# KiCad board PROC099A_PCB-PcbDoc.kicad_pcb (continued)
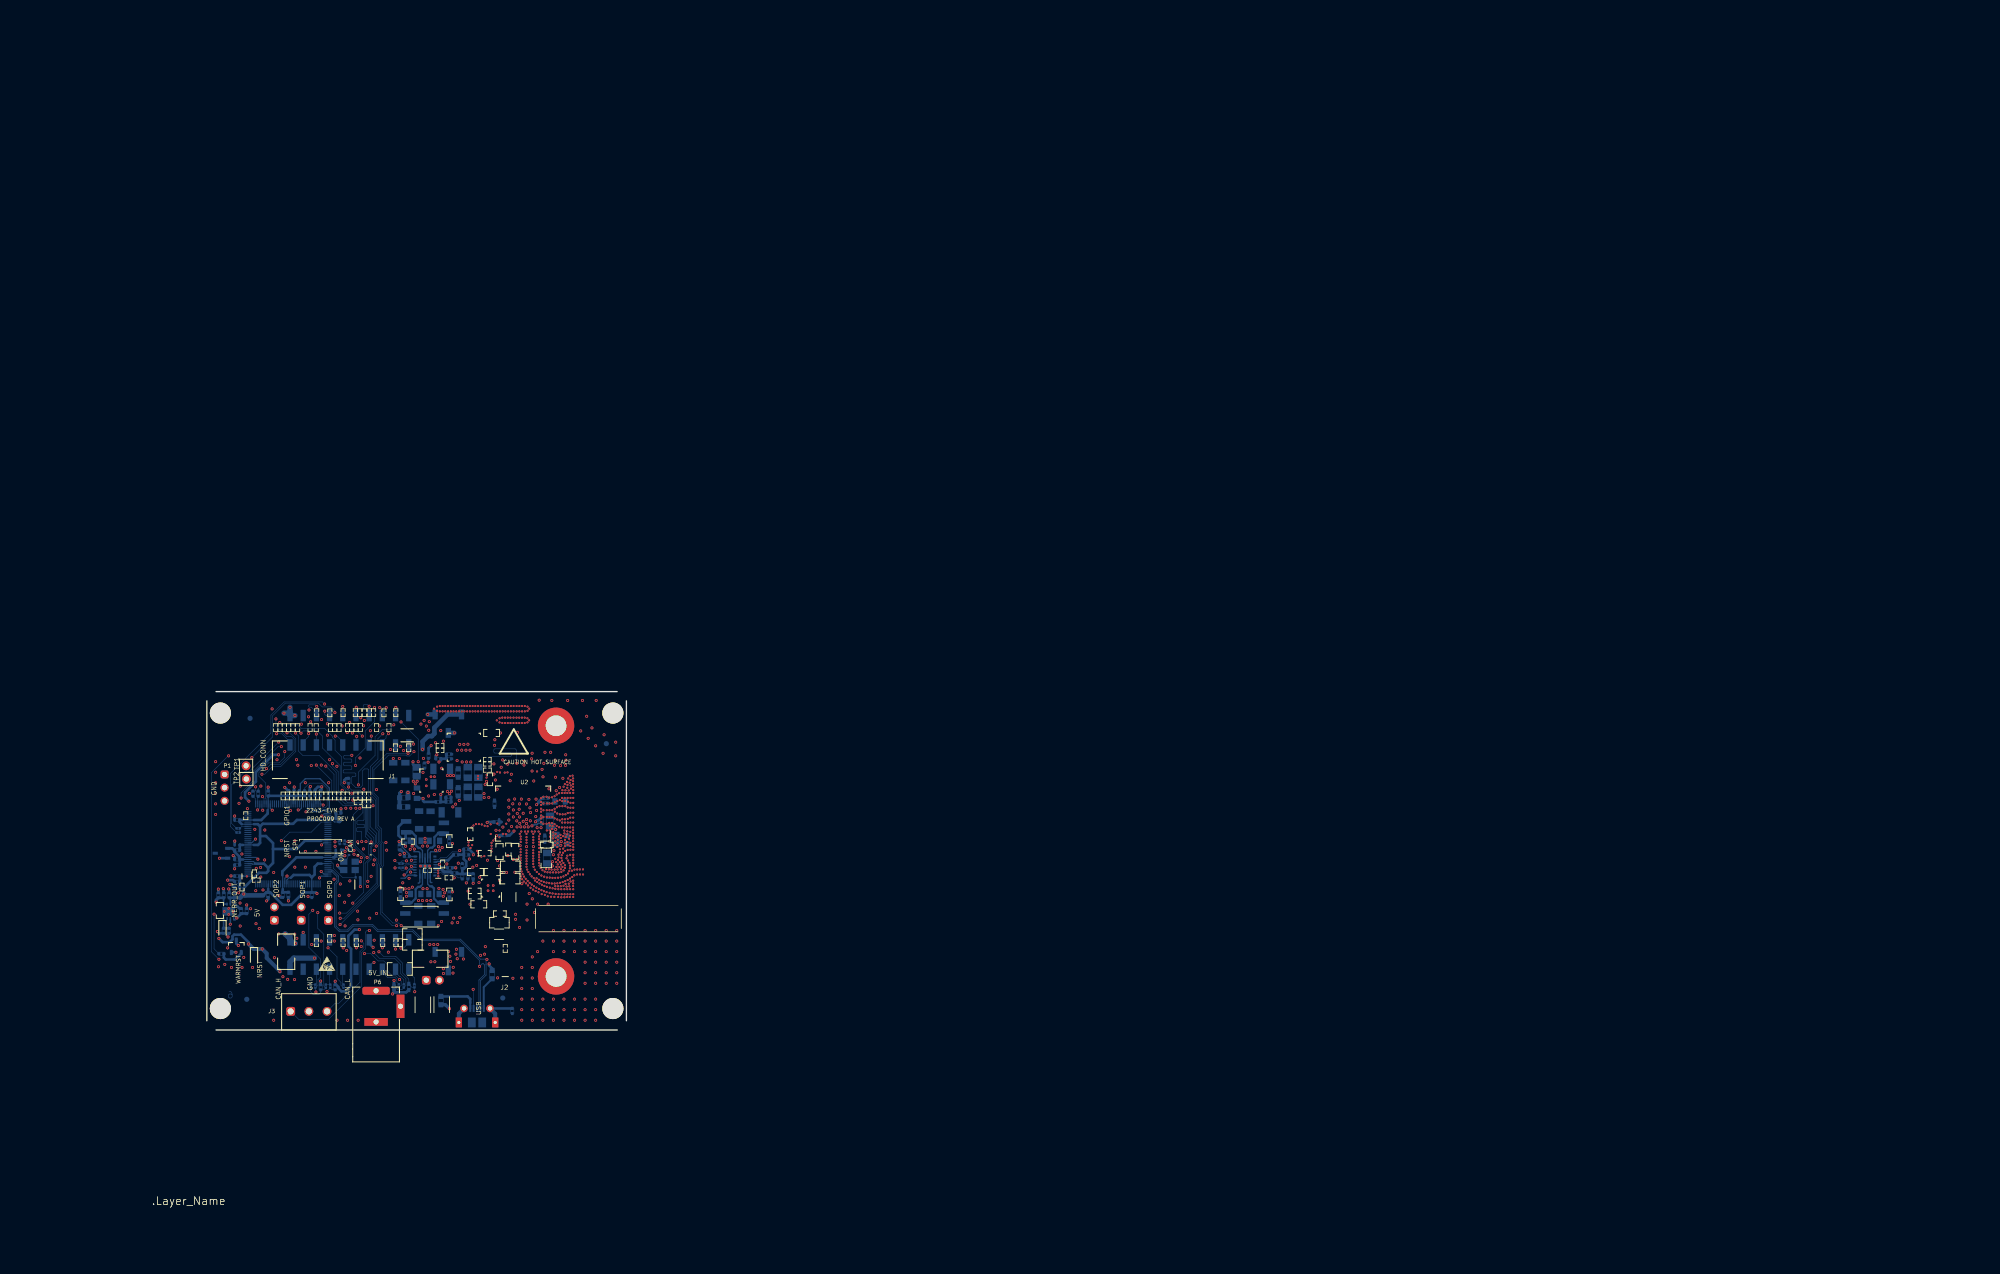
[diagram p0: board, top side]
## Routing (per net, layer and track width the routed paths; a pad name or vN(x,y) marks a point on that pad's centre or on a via; arc(x,y) is an arc through that point) (continued)
AR_NERR_OUT: length 124.9
  In2.Cu w0.127: v1(6.42,20.02) 8.93,22.52 19.85,22.52 20.4,21.97 21.73,21.97 22.27,22.5 v1(25.57,22.5) ; v1(27.91,45.59) 27.57,45.59 26.69,46.47 26.69,46.95 27.99,48.24 30.51,48.24 30.78,47.97 33.72,47.97 39.52,42.16 48.29,42.16 49.97,43.84 55.46,43.84 57,45.38 60.41,45.38 61.28,44.5 61.28,43.76 v1(61.53,43.52)
  Bottom w0.102: v1(25.57,22.5) 26.9,22.5 32.6,28.2 32.6,32.03 32.75,32.19 32.75,32.95 31.73,33.97 31.73,35.24 32.45,35.97 32.45,37.44 31.21,38.68 31.21,43.99 29.61,45.59 v1(27.91,45.59) 27.24,46.27 27.07,46.27 25.94,47.4 25.94,52.6 24.69,53.85 24.69,55.82 24.16,56.34 24.16,56.57 22.72,58.02 18.18,58.02 17.46,58.74 14.51,58.74 v1(14.04,59.21)
  In7.Cu w0.102: v1(61.53,43.52) 61.28,43.76 61.28,44.55 60.92,44.92 U2.N8 ; v1(14.04,59.21) 13.53,59.21 13.26,58.93 R19.1 ; R7.2 27.55,44.74 27.91,45.1 v1(27.91,45.59) ; v1(6.42,20.02) 6.09,20.02 5.78,20.33 6.39,20.94 R91.1
AR_NERRIN: length 58.6
  In2.Cu w0.127: v1(61.67,53.33) 61.67,54.61 53.42,62.86 28,62.86 25.17,60.02 23.38,60.02 22.49,59.13 20.8,59.13 20.59,59.33 v1(19.98,59.33)
  In7.Cu w0.102: v1(19.98,59.33) 19.98,58.66 R24.1 19.48,58.55 18.86,57.93 18.82,57.93 ; U2.P7 61.22,45.89 61.22,46.4 61.09,46.53 61.09,49.83 61.94,50.68 61.94,51.42 61.67,51.69 v1(61.67,53.33)
AR_NRST: length 116
  In2.Cu w0.127: v1(58.62,49.24) 58.62,54.26 54.71,58.18 47.93,58.18 46.42,56.67 46.42,55.55 45.98,55.11 45.16,55.11 44.29,55.97 33.95,55.97 31.73,58.2 31.24,58.2 30.67,57.63 28.29,57.63 28.13,57.79 26.73,57.79 26.6,57.65 22.59,57.65 20.08,55.15 14.93,55.15 v1(14.34,54.56)
  Bottom w0.102: 2.33,14.69 1.39,15.63 v1(1.39,22.3) ; v1(14.34,54.56) 13.71,54.56 8.91,49.76 8.91,47.96 6.6,45.65 v1(6.6,44.65)
  In7.Cu w0.102: 3.1,33.82 R77.2 2.66,34.58 2.66,37.4 5.94,40.68 5.94,42.35 6.93,43.34 6.93,44.33 v1(6.6,44.65) ; 3.1,33.82 R74.1 4.56,35.28 7.48,35.28 7.58,35.38 8.81,35.38 SW2.4 ; 3.1,33.82 4.19,32.74 D2.2 4.19,32.1 0.98,28.9 0.98,22.71 v1(1.39,22.3) ; U2.P12 58.29,45.57 57.97,45.88 57.97,46.68 58.91,47.62 58.91,48.96 v1(58.62,49.24)
AR_NRST_MCU: length 51.8
  In7.Cu w0.102: 25.95,61.01 23.48,63.49 15.49,63.49 12.41,60.41 12.41,56.95 12.99,56.38 ; 25.95,61.01 26.2,60.76 R2.2 25.98,61.01 25.95,61.01 ; R20.1 14.06,58.55 13.71,58.2 13.71,57.5 13.94,57.26 13.94,56.82 13.49,56.38 12.99,56.38 ; 12.99,56.38 9.63,53.01 8.11,53.01 5.83,50.73 5.83,44.71 6.72,43.82 6.72,43.42 1.91,38.6 R77.1 1.91,34.8
AR_NRST_XDS: length 23.9
  In2.Cu w0.254: v1(12.59,42.32) 11.89,41.62 7.84,41.62 6.2,43.25 v1(6.2,43.64)
  Bottom w0.203: v1(12.59,42.32) 12.21,42.7 U6.40
  In7.Cu w0.254: 1.92,31.26 1.11,32.07 1.11,38.56 v1(6.2,43.64)
AR_OSC_CLKOUT: length 26.9
  In2.Cu w0.203: v1(54.02,32.69) 54.02,28.92 53.08,27.99 53.08,16.57 v1(53.61,16.04)
  In7.Cu w0.18: v1(54.02,32.69) 54.48,33.15 54.68,33.15 55.57,34.04 55.57,35.79 56.9,37.12 U2.A14 ; v1(53.61,16.04) R111.1
AR_PMIC_CLKOUT_SOP2: length 110.8
  In2.Cu w0.127: v1(39.87,53.59) 40.89,54.61 41.82,54.61 42.53,53.9 46.57,53.9 48.43,55.76 51.95,55.76 56.67,51.03 v1(56.67,50.59)
  Bottom w0.102: v1(37.41,20.11) 36.92,20.6 35.8,20.6 33.73,22.68 33.73,31.36 33.96,31.6 33.96,36.01 33.59,36.38 33.59,38.75 32.99,39.35 32.99,44.78 32.16,45.6 32.16,50.11 34.99,52.93 38.34,52.93 38.52,52.75 39.03,52.75 v1(39.87,53.59)
  In7.Cu w0.102: 9.85,16.58 10.84,16.58 11.47,15.95 11.47,13.18 12.21,12.45 12.21,9.25 13.43,8.03 19.36,8.03 22.14,10.81 32.75,10.81 36.83,14.89 36.83,16.79 37.18,17.13 R109.2 37.41,17.32 v1(37.41,20.11) ; v1(56.67,50.59) 56.72,50.59 56.93,50.38 56.93,47.1 57.32,46.71 57.32,46.06 57.64,45.73 U2.P13
AR_QSPI_CS: length 36.7
  In2.Cu w0.127: v1(45.54,55.62) 45.54,56.37 47.77,58.6 55.81,58.6 59.06,55.35 59.06,50.81 59.32,50.55 60.6,50.55 v1(61.06,51)
  In5.Cu w0.1: 45.62,55.91 45.62,56.61 43.82,56.61 43.82,55.91 45.62,55.91
  In7.Cu w0.102: U2.P8 60.57,45.88 60.57,46.56 60.67,46.66 60.67,49.98 61.06,50.37 v1(61.06,51) ; U1.1 45.3,56.34 R38.1 45.09,56.13 45.09,55.7 45.17,55.62 v1(45.54,55.62)
AR_QSPI_D0: length 29.3
  In7.Cu w0.102: U2.R11 58.94,46.64 59.64,47.34 59.64,50.06 59.12,50.58 59.12,51.71 59.39,51.97 59.39,54.44 59.2,54.62 58.9,54.62 58.74,54.46 58.74,52.48 58.57,52.31 58.32,52.31 58.2,52.44 58.2,55.5 58.02,55.67 57.79,55.67 57.63,55.51 57.63,54.11 57.2,53.68 54.78,53.68 54.6,53.5 54.6,53.14 54.75,52.99 57.23,52.99 57.76,52.46 57.76,51.77 57.27,51.29 56.34,51.29 55.08,50.04 54.35,50.04 R45.2
AR_QSPI_D1: length 30.8
  In7.Cu w0.102: R39.1 43.87,54.74 43.47,55.14 43.47,56.33 44.27,57.12 45.48,57.12 46.36,58 57.03,58 60.35,54.68 60.35,50.3 60.26,50.21 60.26,46.95 59.92,46.61 59.92,45.88 U2.P9
AR_QSPI_D2: length 31
  In7.Cu w0.102: R42.1 43.8,53.83 43.63,53.66 43.63,52.87 44.02,52.48 45.31,52.48 45.9,51.89 46.91,51.89 47.45,51.36 48.64,51.36 49.01,50.98 52.24,50.98 52.44,50.78 52.44,50.57 52.29,50.42 49.98,50.42 49.83,50.28 49.83,49.92 49.97,49.79 50.7,49.79 50.92,49.56 50.92,48.83 51.13,48.62 51.47,48.62 51.65,48.79 51.65,49.2 52.24,49.79 53.15,49.79 53.42,49.53 54.58,49.53 54.86,49.81 55.17,49.81 56.44,51.09 56.98,51.09 57.55,50.52 58.24,50.52 59.23,49.52 59.23,47.59 58.29,46.65 U2.R12
AR_QSPI_D3: length 26
  Bottom w0.102: v1(59.65,51.35) 59.65,53.84 59.35,54.14 55.46,54.14 55.24,53.92 55.24,53.53 55.44,53.32 58.49,53.32 58.67,53.15 58.67,52.83 58.46,52.62 54.5,52.62 54.28,52.41 54.28,51.44 54.5,51.23 v1(55.26,51.23)
  In7.Cu w0.102: v1(59.65,51.35) 59.65,50.78 59.85,50.58 59.85,47.19 59.27,46.61 59.27,45.89 59.59,45.57 U2.P10 ; R40.2 55.16,52.09 55.26,51.99 v1(55.26,51.23)
AR_QSPI_SCLK: length 29.1
  In7.Cu w0.102: U2.R10 59.59,46.6 60.06,47.07 60.06,50.32 60.15,50.41 60.15,54.14 57.68,56.61 56.48,56.61 56.35,56.47 56.35,56.11 56.48,55.97 57.07,55.97 57.17,55.86 57.17,55.44 57.09,55.35 56.47,55.35 56.34,55.22 56.34,54.84 56.44,54.74 56.92,54.74 57.05,54.61 57.05,54.31 56.9,54.16 54.54,54.16 54.16,53.78 54.16,52.93 54.56,52.53 57.15,52.53 57.5,52.18 57.5,51.8 57.19,51.5 56.24,51.5 55.34,50.6 54.94,50.6 R44.2
AR_RESERVED: length 64
  In2.Cu w0.127: v1(59.01,41.02) 51.35,41.02 50.29,39.96 37.45,39.96 37.14,40.27 13.22,40.27 12.74,40.76 7.97,40.76 5.58,43.15 5.58,44.54 6.59,45.54 v1(8.17,45.54)
  In7.Cu w0.102: v1(8.17,45.54) 8.17,45.92 C8.1 7.63,48.3 TP2.1
  In7.Cu w0.254: v1(59.01,41.02) 58.55,41.02 58.55,41.02 U2.G13
AR_RS232RX: length 140.8
  In2.Cu w0.127: v1(15.44,57.23) 15.44,57.75 17.76,60.08 17.76,60.6 21.16,64.01 55.87,64.01 65.51,54.37 66.19,54.37 68.5,52.06 68.5,51.49 v1(69.04,50.95)
  Bottom w0.102: v1(10.41,46.96) 9.9,46.46 R129.1 9.9,45.97 ; v1(23.13,7.39) 23.13,7.47 R166.1 24.12,7.74 24.71,7.74 ; v1(20.39,23.04) 19.64,22.29 19.64,15.9 21.88,13.67 21.88,10.17 21.4,9.7 21.4,8.61 R168.1 20.89,7.43 v1(21,7.32) ; v1(15.44,57.23) 15.97,57.23 17.13,56.07 17.13,53.63 14.25,50.75 12.66,50.75 11.16,49.25 v1(10.61,49.25)
  In7.Cu w0.102: v1(69.04,50.95) 69.04,50.94 69.04,48.21 68.7,47.87 68.23,47.87 65.62,45.25 63.39,45.25 63.05,44.92 U2.N5 ; v1(23.13,7.39) 23.06,7.32 v1(21,7.32) ; v1(15.44,57.23) 15.34,57.32 15.34,58.16 15.72,58.54 R33.1 ; v1(10.61,49.25) 10.61,48.26 10.41,48.05 v1(10.41,46.96) 14.16,43.21 14.16,37.72 15.01,36.88 15.01,31.83 20.39,26.44 v1(20.39,23.04)
AR_RS232TX: length 141.5
  In2.Cu w0.127: v1(64.71,48.74) 61.95,48.74 60.67,47.47 55.4,47.47 54.45,48.42 49.16,48.42 45.4,52.18 42.81,52.18 42.13,52.86 41.05,52.86 40.56,52.38 39.68,52.38 38.46,51.16 33.03,51.16 30.24,53.95 17.19,53.95 16.17,52.93 14.87,52.93 12.79,55.01 12.79,59.38 v1(13.3,59.89)
  Bottom w0.102: v1(11.47,50.32) 12.29,51.13 14.15,51.13 16.8,53.78 16.8,55.99 16.27,56.52 15.36,56.52 13.3,58.57 v1(13.3,59.89) ; 8.87,45.98 9.24,45.98 9.39,46.13 v1(9.39,46.81) ; v1(21.36,22.61) 21.36,19.58 22.52,18.41 22.52,8.49 R167.1 22.55,7.74 21.91,7.74 R173.1 21.91,7.21 21.52,6.82 20.54,6.82 20.01,7.35 R169.1
  In7.Cu w0.102: v1(11.47,50.32) 10.96,50.32 9.39,48.75 v1(9.39,46.81) 9.93,46.27 10.43,46.27 13.84,42.86 13.84,30.59 19.88,24.55 19.88,22.81 20.16,22.53 20.72,22.53 20.8,22.61 v1(21.36,22.61) ; R21.1 14.91,59.12 14.14,59.89 v1(13.3,59.89) ; U2.N6 62.52,45.25 62.97,45.25 63.17,45.44 63.17,46.38 64.71,47.93 v1(64.71,48.74)
AR_SCL: length 191.7
  In2.Cu w0.127: v1(36.23,31.2) 26.43,31.2 26.21,30.99 23.93,30.99 23.44,31.48 21.55,31.48 20.51,30.43 14.74,30.43 13.76,29.45 v1(10.38,29.45) ; v1(69.08,52.98) 71.8,50.26 71.8,31.79 67.91,27.9 64.32,27.9 62.25,25.82 61.98,25.82 57.82,21.66 57.82,12.71 54.16,9.05 50.8,9.05 48.58,6.84 38.74,6.84 v1(36.04,9.54)
  Bottom w0.102: v1(36.23,31.2) 36.25,31.22 R144.1 37.5,30.77 37.94,30.77 38.35,31.18 v1(38.37,31.18) ; v1(36.04,9.54) 36.02,9.52 R171.1 36.02,8.77 36.52,8.27 36.52,7.94 36.7,7.76 37.56,7.76 37.92,8.12 R163.1 38.32,8.56 38.32,9.84 37.33,10.83 37.33,12.63 36.17,13.78 33.24,13.78 v1(32.12,14.9) ; v1(30.93,27.64) 30.47,28.1 30.47,32.12 31.36,33.01 31.36,33.55 31.12,33.78 31.12,36.62 30.53,37.22 30.53,43.24 30.01,43.76 27.1,43.76 24.89,45.97 24.89,49.61 21.61,52.9 18.43,52.9 17.6,53.73 17.6,56.67 v1(17.09,57.18)
  In7.Cu w0.102: v1(32.12,14.9) 31.29,14.9 30.61,15.57 30.61,17.79 31.12,18.29 31.78,18.29 34.74,21.25 34.74,25.57 32.67,27.64 ; v1(30.93,27.64) 32.67,27.64 ; 32.67,27.64 32.67,27.64 v1(36.23,31.2) ; v1(17.09,57.18) 17.07,57.19 17.07,58.1 16.61,58.55 R22.1 ; R180.1 40.96,30.76 39.9,29.7 38.87,29.7 38.37,30.19 v1(38.37,31.18) ; R185.1 9.44,29.45 v1(10.38,29.45)
  In7.Cu w0.127: v1(69.08,52.98) 68.18,53.89 R197.1
AR_SDA: length 190.5
  In2.Cu w0.127: v1(69.13,51.94) 71.36,49.71 71.36,31.94 67.79,28.37 63.39,28.37 57.43,22.4 57.43,12.81 54.26,9.64 50.67,9.64 48.39,7.36 v1(40.02,7.36) ; v1(10.81,26.96) 11.4,27.55 21.56,27.55 22.56,28.55 22.56,29.39 23.81,30.64 28.97,30.64 v1(30.98,28.63)
  Bottom w0.102: R162.1 40.02,8.11 v1(40.02,7.36) ; v1(18.13,57.15) 18.57,57.59 21.27,57.59 22.26,56.6 22.26,54.29 25.67,50.88 25.67,47.25 26.71,46.21 26.71,46.07 27.71,45.07 29.66,45.07 30.98,43.74 30.98,38.18 32.15,37.01 32.15,36 31.45,35.29 31.45,33.86 31.62,33.69 31.62,32.87 30.98,32.23 v1(30.98,28.63) ; v1(38.43,32.56) 37.56,32.56 R146.2 36.9,32.2 36.64,32.2 v1(36.2,32.64) ; v1(33.13,15.06) 33.99,14.2 36.35,14.2 37.67,12.88 37.67,11 38.88,9.78 R170.1 38.88,8.77 38.93,8.77 39.52,8.17 39.93,8.17
  In7.Cu w0.102: v1(38.43,32.56) 38.9,32.1 38.9,30.88 38.71,30.69 38.71,30.21 39.01,29.9 39.47,29.9 40.46,30.89 40.46,31.56 41.47,32.58 45.11,32.58 R182.2 ; R186.2 10.81,27.88 v1(10.81,26.96) ; v1(33.13,15.06) 32.79,15.4 31.25,15.4 30.85,15.8 30.85,17.67 31.18,18 32.09,18 35.02,20.93 35.02,29.21 36.78,30.97 36.78,32.06 v1(36.2,32.64) 32.19,28.63 v1(30.98,28.63) ; v1(18.13,57.15) 18.13,57.94 17.52,58.55 R23.1
  In7.Cu w0.127: v1(69.13,51.94) 68.17,52.91 R198.1
AR_SPICLK1: length 93.9
  In2.Cu w0.102: v1(28.33,34.59) 28.95,34.59 29.79,33.76 v1(37.19,33.76)
  In3.Cu w0.127: v1(37.19,33.76) 37.19,35.15 37.92,35.87 37.92,37.1 45.15,44.34 46.94,44.34 48,45.4 48,47.53 51.63,51.16 51.63,57.69 52.28,58.34 57.27,58.34 57.52,58.59 57.52,59.32 57.3,59.54 51.91,59.54 51.64,59.81 51.64,60.64 51.88,60.88 57.23,60.88 57.5,61.15 57.5,61.88 57.27,62.12 51.89,62.12 51.63,62.38 51.63,62.94 51.95,63.26 59.37,63.26 59.78,62.84 v1(59.78,57.31)
  In7.Cu w0.102: v1(28.33,34.59) U13.7 ; U2.R9 60.24,46.56 60.47,46.79 60.47,50.08 60.56,50.17 60.56,56.54 v1(59.78,57.31)
AR_SYNC_IN: length 90.9
  In2.Cu w0.127: v1(60.2,43.53) 59.89,43.84 59.89,44.58 59.47,45 57.95,45 56.32,43.37 50.22,43.37 48.63,41.78 39.22,41.78 33.44,47.55 30.19,47.55 30,47.74 28.23,47.74 v1(27.27,46.79)
  In3.Cu w0.127: v1(23.34,15.82) 23.34,19.18 v1(25.67,21.51)
  Bottom w0.102: v1(25.67,21.51) 26.42,21.51 32.89,27.98 32.89,31.85 33.12,32.08 33.12,35.67 32.72,36.07 32.72,37.86 31.44,39.13 31.44,44.28 29.52,46.19 27.87,46.19 v1(27.27,46.79) R196.2 ; v1(23.34,15.82) 23.34,15.8 25.06,14.07 25.06,9.93 25.82,9.18 25.82,8.59 R165.1
  In7.Cu w0.102: R62.2 26.47,44.74 26.64,44.91 26.64,45.68 27.27,46.31 v1(27.27,46.79) ; U2.N10 59.59,44.87 59.91,44.55 59.91,43.81 v1(60.2,43.53)
AR_SYNC_OUT_SOP1: length 98.4
  In2.Cu w0.127: v1(57.91,51.18) 56.99,51.18 52.03,56.13 48.42,56.13 46.47,54.18 42.9,54.18 42.04,55.04 40.6,55.04 39.81,54.25 39.63,54.25 38.73,53.35 v1(38.73,53.26)
  Bottom w0.102: v1(38.73,53.26) 34.68,53.26 31.84,50.43 31.84,45.45 32.74,44.55 32.74,39.07 33.31,38.5 33.31,36.27 33.68,35.9 33.68,31.71 33.45,31.48 33.45,22.34 35.69,20.09 v1(36.54,20.09)
  In5.Cu w0.1: 38.46,55.09 39.26,55.09 39.26,53.59 38.46,53.59 38.46,55.09
  In7.Cu w0.102: 18.08,15.02 18.61,14.48 29.44,14.48 29.75,14.17 32.97,14.17 35.94,17.13 R108.2 36.54,17.27 v1(36.54,20.09) ; U2.P11 58.62,45.88 58.62,46.65 59.44,47.46 59.44,49.65 v1(57.91,51.18)
AR_TCK: length 35.1
  In2.Cu w0.127: v1(58.13,44.25) 56.82,42.95 50.51,42.95 48.98,41.42 38.86,41.42 33.15,47.13 31,47.13 v1(30.22,46.36)
  In7.Cu w0.102: U2.M13 57.65,44.25 v1(58.13,44.25) ; R70.1 30.34,43.88 30.34,44.68 30.74,45.09 30.74,45.83 v1(30.22,46.36)
AR_TDI: length 54
  In2.Cu w0.127: v1(26.05,46.15) 26.05,45.58 27.89,43.75 34.52,43.75 37.94,40.33 49.96,40.33 51.22,41.59 v1(58.13,41.59)
  In3.Cu w0.127: v1(27.49,59.21) 25.74,57.46 25.74,56.71 22.85,53.82 22.85,51.73 23.66,50.92 23.66,48.55 v1(26.05,46.15)
  In7.Cu w0.102: v1(58.13,41.59) 58.05,41.67 U2.H13 ; v1(27.49,59.21) 27.83,59.21 27.9,59.14 R30.1 R29.1
AR_TDO_SOP0: length 63.9
  In2.Cu w0.127: v1(59.01,42.37) 57.83,42.37 57.46,42 50.94,42 49.57,40.64 38.31,40.64 v1(32.67,46.28)
  Bottom w0.102: v1(28.09,24.42) 30.19,26.52 30.19,32.48 30.33,32.63 30.33,33.3 28.22,35.42 28.22,41.47 v1(29.45,42.7)
  In5.Cu w0.1: 27.2,22.5 27.2,24.3 27.9,24.3 27.9,22.5 27.2,22.5
  In7.Cu w0.102: U2.J13 58.96,42.32 v1(59.01,42.37) ; 27.57,23.9 v1(28.09,24.42) ; v1(29.45,42.7) 29.78,42.7 29.94,42.54 31.19,42.54 31.56,42.91 31.56,43.51 31.17,43.9 R67.2 31.69,44.74 32.67,45.71 v1(32.67,46.28)
AR_TMS: length 71.3
  In2.Cu w0.127: v1(58.9,43.54) 58.04,43.54 56.93,42.44 50.68,42.44 49.24,41 38.68,41 32.89,46.79 32.07,46.79 29.55,44.27 v1(28.11,44.27)
  In5.Cu w0.1: 28.29,44.32 28.29,45.82 29.09,45.82 29.09,44.32 28.29,44.32 ; 29.11,44.32 29.91,44.32 29.91,45.82 29.11,45.82 29.11,44.32 ; 30.77,44.29 31.57,44.29 31.57,42.79 30.77,42.79 30.77,44.29 ; 29.94,44.32 29.94,45.82 30.74,45.82 30.74,44.32 29.94,44.32 ; 29.88,43.44 29.88,44.24 28.38,44.24 28.38,43.44 29.88,43.44 ; 30.77,44.32 30.77,45.82 31.57,45.82 31.57,44.32 30.77,44.32 ; 29.93,44.29 30.73,44.29 30.73,42.79 29.93,42.79 29.93,44.29
  In7.Cu w0.102: v1(28.11,44.27) 29.05,44.27 R65.2 29.51,43.9 R69.1 ; v1(58.9,43.54) 58.82,43.62 U2.L13
AR_VBGAP: length 2.3
  Bottom w0.508: v1(59.13,38.3) 58.32,37.49 C56.1
  In7.Cu w0.381: U2.B10 59.59,37.84 v1(59.13,38.3)
AR_VOUT_PA:
  vias: v1(66.72,33.74) v1(66.82,34.53)
AR_VSENSE: length 61.9
  In2.Cu w0.127: 3.4,49.21 5.05,47.57 5.05,43.06 7.92,40.19 12.53,40.19 12.98,39.74 37.08,39.74 37.31,39.52 50.5,39.52 51.48,40.5 55.56,40.5 v1(56.99,39.07)
  In7.Cu w0.102: U2.C14 v1(56.99,39.07)
AR_WARMRST: length 99.5
  In2.Cu w0.127: v1(31.48,57.62) 33.96,55.14 35.39,55.14 37.91,52.63 38.85,52.63 39.29,53.07 40.09,53.07 40.56,53.54 45.48,53.54 49.75,49.26 v1(55.27,49.26)
  In3.Cu w0.127: v1(31.48,57.62) 32.19,56.91 32.19,56.08 31.91,55.8 31.91,51.67 28.1,47.86 28.1,46.79 23.63,42.32 21.56,42.32 11.8,32.56 11.8,26.94 10.96,26.11 10.96,18.16 8.02,15.22 7.16,15.22 4.57,12.62 v1(3.46,12.62)
  In7.Cu w0.102: 3.46,11.85 v1(3.46,12.62) ; 28.62,59.46 28.62,58.67 R18.1 ; 28.62,59.46 29.05,59.04 30.6,59.04 31.48,58.16 v1(31.48,57.62) ; 28.62,59.46 R15.1 ; U2.N12 57.97,45.24 57.52,45.24 57.32,45.44 57.32,45.69 57.12,45.88 56.87,45.88 56.66,46.1 56.66,46.34 55.43,47.57 55.39,47.57 55.03,47.93 55.03,49.03 v1(55.27,49.26)
  vias: v2(53.87,49.12)
AR_XTALM: length 7.7
  In7.Cu w0.102: U2.F14 56.73,40.11 55.76,40.11 54.52,38.86 52.83,38.86 51.94,37.98 Y1.3 51.4,38.29 C9.1
AR_XTALP: length 7.8
  In7.Cu w0.102: U2.E14 56.83,39.72 56.5,39.39 55.43,39.39 55.11,39.06 55.11,37.08 53.79,35.77 Y1.1 54.1,35.29 C15.2
CAN_RX: length 12.4
  In3.Cu w0.102: v1(30.14,34.86) 29.59,34.31 29.59,34.1 v1(29.08,33.59)
  In5.Cu w0.1: 29.02,33.87 31.67,33.87 31.67,35.72 29.02,35.72 29.02,33.87
  In7.Cu w0.102: R12.1 28.97,33.59 v1(29.08,33.59) ; v1(30.14,34.86) U13.3
CAN_TX: length 1.4
  In7.Cu w0.102: R11.1 31.91,35.64 31.91,35.55 31.76,35.39 U13.16 ; 32.48,36.26 32.5,36.29
CS1: length 123.2
  In2.Cu w0.127: v1(19.67,61.61) 19.21,61.61 18.5,60.9 18.5,59.37 19.45,58.43 25.16,58.43 25.82,59.08 26.79,59.08 27.29,58.58 v1(30.18,58.58)
  In3.Cu w0.102: v1(24.18,51.28) 24.51,51.6 31.05,51.6 31.37,51.93 31.37,53.06 31.05,53.39 24.14,53.39 23.91,53.62 23.91,54.25 24.3,54.63 31.12,54.63 31.38,54.9 31.38,55.62 30.84,56.16 30.84,59.09 v1(30.32,59.6)
  In3.Cu w0.127: v1(21.08,51) 21.08,52.67 20.8,52.95 17.14,52.95 16.95,53.14 16.95,53.72 17.12,53.89 21.21,53.89 21.41,54.09 21.41,54.69 21.22,54.87 17.11,54.87 16.95,55.04 16.95,55.64 17.12,55.82 21.56,55.82 21.87,56.12 21.87,57.98 20.85,59 20.85,60.43 v1(19.67,61.61)
  Bottom w0.102: v1(30.85,33.23) 29.79,34.29 29.79,34.29 28.54,35.54 28.54,40.36 30.04,41.86 30.04,42.83 29.61,43.25 26.19,43.25 24.06,45.38 24.06,48.03 v1(21.08,51) ; v1(24.18,51.28) 24.18,50.84 25.29,49.74 25.29,46.13 26.6,44.82 29.43,44.82 30.76,43.49 30.76,37.72 31.63,36.84 v1(31.63,36.2)
  In7.Cu w0.102: R14.1 19.54,61.61 v1(19.67,61.61) 20.51,60.76 R1.2 ; R17.1 v1(30.18,58.58) ; v1(30.85,33.23) 30.54,33.53 U13.11
  vias: v1(20.11,50.91)
D_LOGGER: length 5.4
  Bottom w0.102: v1(21.15,62.3) 20.86,62.6 19.69,62.6 19.62,62.53 19.62,62.24 19.71,62.15 20.12,62.15 21.09,61.19 J6.6
  In7.Cu w0.102: R1.1 v1(21.15,62.3)
HD_LVDS_VALID_N: length 4.5
  In7.Cu w0.132: 25.54,49.17 25.54,47.87 25.66,47.75 25.66,47.09 25.52,46.96 25.17,46.96 24.89,46.67 24.89,45.69 R60.1
HD_LVDS_VALID_P: length 4.5
  In7.Cu w0.132: 26.04,49.17 26.04,47.87 25.92,47.75 25.92,46.98 25.63,46.7 25.28,46.7 25.14,46.57 25.14,45.66 R61.1
HD_LVDSCSI0_N: length 4.6
  In7.Cu w0.132: R48.1 14.98,45.68 14.98,45.96 16.66,47.64 16.66,47.75 16.54,47.87 16.54,49.17
HD_LVDSCSI0_P: length 4.6
  In7.Cu w0.132: R49.1 15.23,45.68 15.23,45.85 16.92,47.53 16.92,47.76 17.04,47.88 17.04,49.17
HD_LVDSCSI1_N: length 4.6
  In7.Cu w0.132: 18.04,49.17 18.04,47.92 18.15,47.81 18.15,47.45 16.63,45.93 16.63,45.68 R50.1
HD_LVDSCSI1_P: length 4.6
  In7.Cu w0.132: R51.1 16.89,45.68 16.89,45.82 18.41,47.35 18.41,47.83 18.54,47.96 18.54,49.17
HD_LVDSCSI2_N: length 4.4
  In7.Cu w0.132: 21.04,49.17 21.04,47.87 21.16,47.75 21.16,47.2 19.96,46 19.96,45.69 R54.1
HD_LVDSCSI2_P: length 4.4
  In7.Cu w0.132: R55.1 20.22,45.67 20.22,45.89 21.42,47.09 21.42,47.75 21.54,47.87 21.54,49.17
HD_LVDSCSI3_N: length 4.7
  In7.Cu w0.132: R56.1 21.58,45.68 21.58,46.02 21.86,46.3 22.32,46.3 22.66,46.64 22.66,47.75 22.54,47.87 22.54,49.17
HD_LVDSCSI3_P: length 4.7
  In7.Cu w0.132: 23.04,49.17 23.04,47.94 22.93,47.83 22.93,47.76 22.92,47.75 22.92,46.53 22.43,46.05 21.97,46.05 21.84,45.91 21.84,45.68 R57.1
HD_LVDSCSI_CLK_N: length 4.5
  In7.Cu w0.132: 19.54,49.17 19.54,47.89 19.64,47.79 19.64,47.61 18.28,46.25 18.28,45.68 R52.1
HD_LVDSCSI_CLK_P: length 4.5
  In7.Cu w0.132: R53.1 18.54,45.68 18.54,46.14 19.9,47.5 19.9,47.79 20.04,47.93 20.04,49.17
HD_LVDSCSI_FRCLK_N: length 4.3
  In7.Cu w0.132: R58.1 23.23,45.68 23.23,46.46 24.16,47.39 24.16,47.75 24.04,47.87 24.04,49.17
HD_LVDSCSI_FRCLK_P: length 4.3
  In7.Cu w0.132: R59.1 23.49,45.68 23.49,46.35 24.42,47.28 24.42,47.75 24.54,47.87 24.54,49.17
LDO_01_EN: length 2.7
  In7.Cu w0.305: 52.06,25.77 53.66,25.77
  In7.Cu w0.508: 52.04,26.78 52.04,25.75 52.06,25.77
LDO_02_EN: length 9.8
  In7.Cu w0.127: U5.6 42.23,45.92 42.14,45.83 40.47,45.83 39.06,47.23 39.06,48.38 R46.2 39.41,49.53 40.15,50.27 42.04,50.27 42.23,50.08 U5.20
MCU_3V3: length 80.1
  In3.Cu w0.889: v1(38.72,45.72) 33.51,40.51 33.51,34.02 34.94,32.59 v1(34.94,14.99)
  Bottom w0.889: R130.1 v1(38.72,45.72) ; J4.3 46.35,60.76 43.81,58.21 43.81,57.07 43.32,56.58 42.58,56.58 41.54,55.53 v1(41.54,54.05)
  Bottom w1.016: v1(20.72,13.84) 16.73,13.84 16.01,13.12 J5.1
  In7.Cu w0.889: v1(20.72,13.84) 22.52,12.04 32.57,12.04 33.77,13.24 33.77,13.81 v1(34.94,14.99) ; v1(38.72,45.72) 38.72,46.24 37.8,47.16 37.8,51.06 39.3,52.55 40.27,52.55 41.54,53.82 v1(41.54,54.05)
  vias: v2(46.44,61.35) v2(46.96,61.35) v2(47.49,61.35) v2(48.01,61.35) v2(48.54,61.35) v2(49.06,61.35) v2(49.59,61.35)
MCU_5V: length 19.6
  Bottom w1.016: v1(15.08,18.53) 15.08,18.48 16.01,17.55 J5.2 16.7,16.66 v1(17.04,16.66)
  In5.Cu w0.1: 13.83,17.81 16.73,17.81 16.73,12.35 13.83,12.35 13.83,17.81
  vias: v1(13.84,18.5) v1(16.92,18.45) v1(48.05,15.54) v1(48.2,13.72) v1(49.4,13.67)
MCU_SOP0: length 46.4
  In3.Cu w0.102: v1(37.87,53.8) 37.87,53.04 38.38,52.52 38.38,48.7 33.95,44.27 32.34,44.27 31.47,43.39 31.47,41.79 27.66,37.98 25.47,37.98 23.77,36.28 23.77,25.82 28.38,21.21 v1(29.08,21.21)
  In7.Cu w0.102: 27.53,20.95 27.54,20.95 28.21,20.95 28.47,21.21 v1(29.08,21.21) ; R36.1 38.65,53.8 v1(37.87,53.8)
MCU_SOP1: length 56.6
  In3.Cu w0.102: v1(35.36,54) 36.38,54 37.99,52.39 37.99,48.8 34,44.81 32.4,44.81 31.05,43.46 31.05,41.86 27.64,38.45 25.3,38.45 23.34,36.49 23.34,25.6 26.61,22.33 v1(26.61,20.04)
  In7.Cu w0.102: v1(26.61,20.04) 25.47,18.9 21.87,18.9 19.65,16.67 19.65,15.56 19.1,15.02 ; R35.1 35.43,54.01 35.43,54 v1(35.36,54)
MCU_SOP2: length 63.7
  Bottom w0.102: v1(25.65,20.29) 33.17,27.81 33.17,31.71 33.4,31.95 33.4,35.78 33.03,36.15 33.03,38.29 32.51,38.82 32.51,44.25 31.52,45.24 31.52,50.77 32.94,52.19 32.94,56.1 v1(33.87,57.03)
  In7.Cu w0.102: R32.1 34.72,58.55 33.87,57.71 v1(33.87,57.03) ; v1(25.65,20.29) 25.32,19.97 21.29,19.97 18.85,22.4 12.29,22.4 11.6,21.72 11.6,17.86 11.93,17.53
MISO1: length 4
  In7.Cu w0.102: R63.2 R6.2 R3.2 30.32,60.73 30.32,59.6 ; 31.63,36.2 31.37,35.93 31.15,35.93 30.94,35.73 U13.1
MOSI1: length 42.5
  In3.Cu w0.102: v1(26.03,58.55) 25.11,58.55 24.01,57.45 24.01,56.23 22.26,54.48 22.26,51.45 v1(22.9,50.81)
  Bottom w0.102: v1(22.9,50.81) 24.48,49.23 24.48,45.69 26.65,43.52 29.79,43.52 30.27,43.05 30.27,40.47 30.1,40.31 29.05,40.31 28.89,40.16 28.89,39.71 29.05,39.55 30.26,39.55 30.3,39.51 30.3,39 30.25,38.94 28.95,38.94 28.85,38.84 28.85,38.31 28.95,38.2 29.72,38.2 29.82,38.1 v1(29.82,36.27)
  In7.Cu w0.102: R28.1 v1(26.03,58.55) 26.03,59.82 26.62,60.4 26.62,61.62 26.87,61.87 28.01,61.87 28.19,61.68 28.19,61.12 28.55,60.76 R4.2 R5.2 ; U13.4 29.74,35.82 29.82,35.9 v1(29.82,36.27)
Net1: length 15293.6